# Altium PCB MODULE_GSM_GNSS_v1.1.PcbDoc (part 1 of 2) (continued)
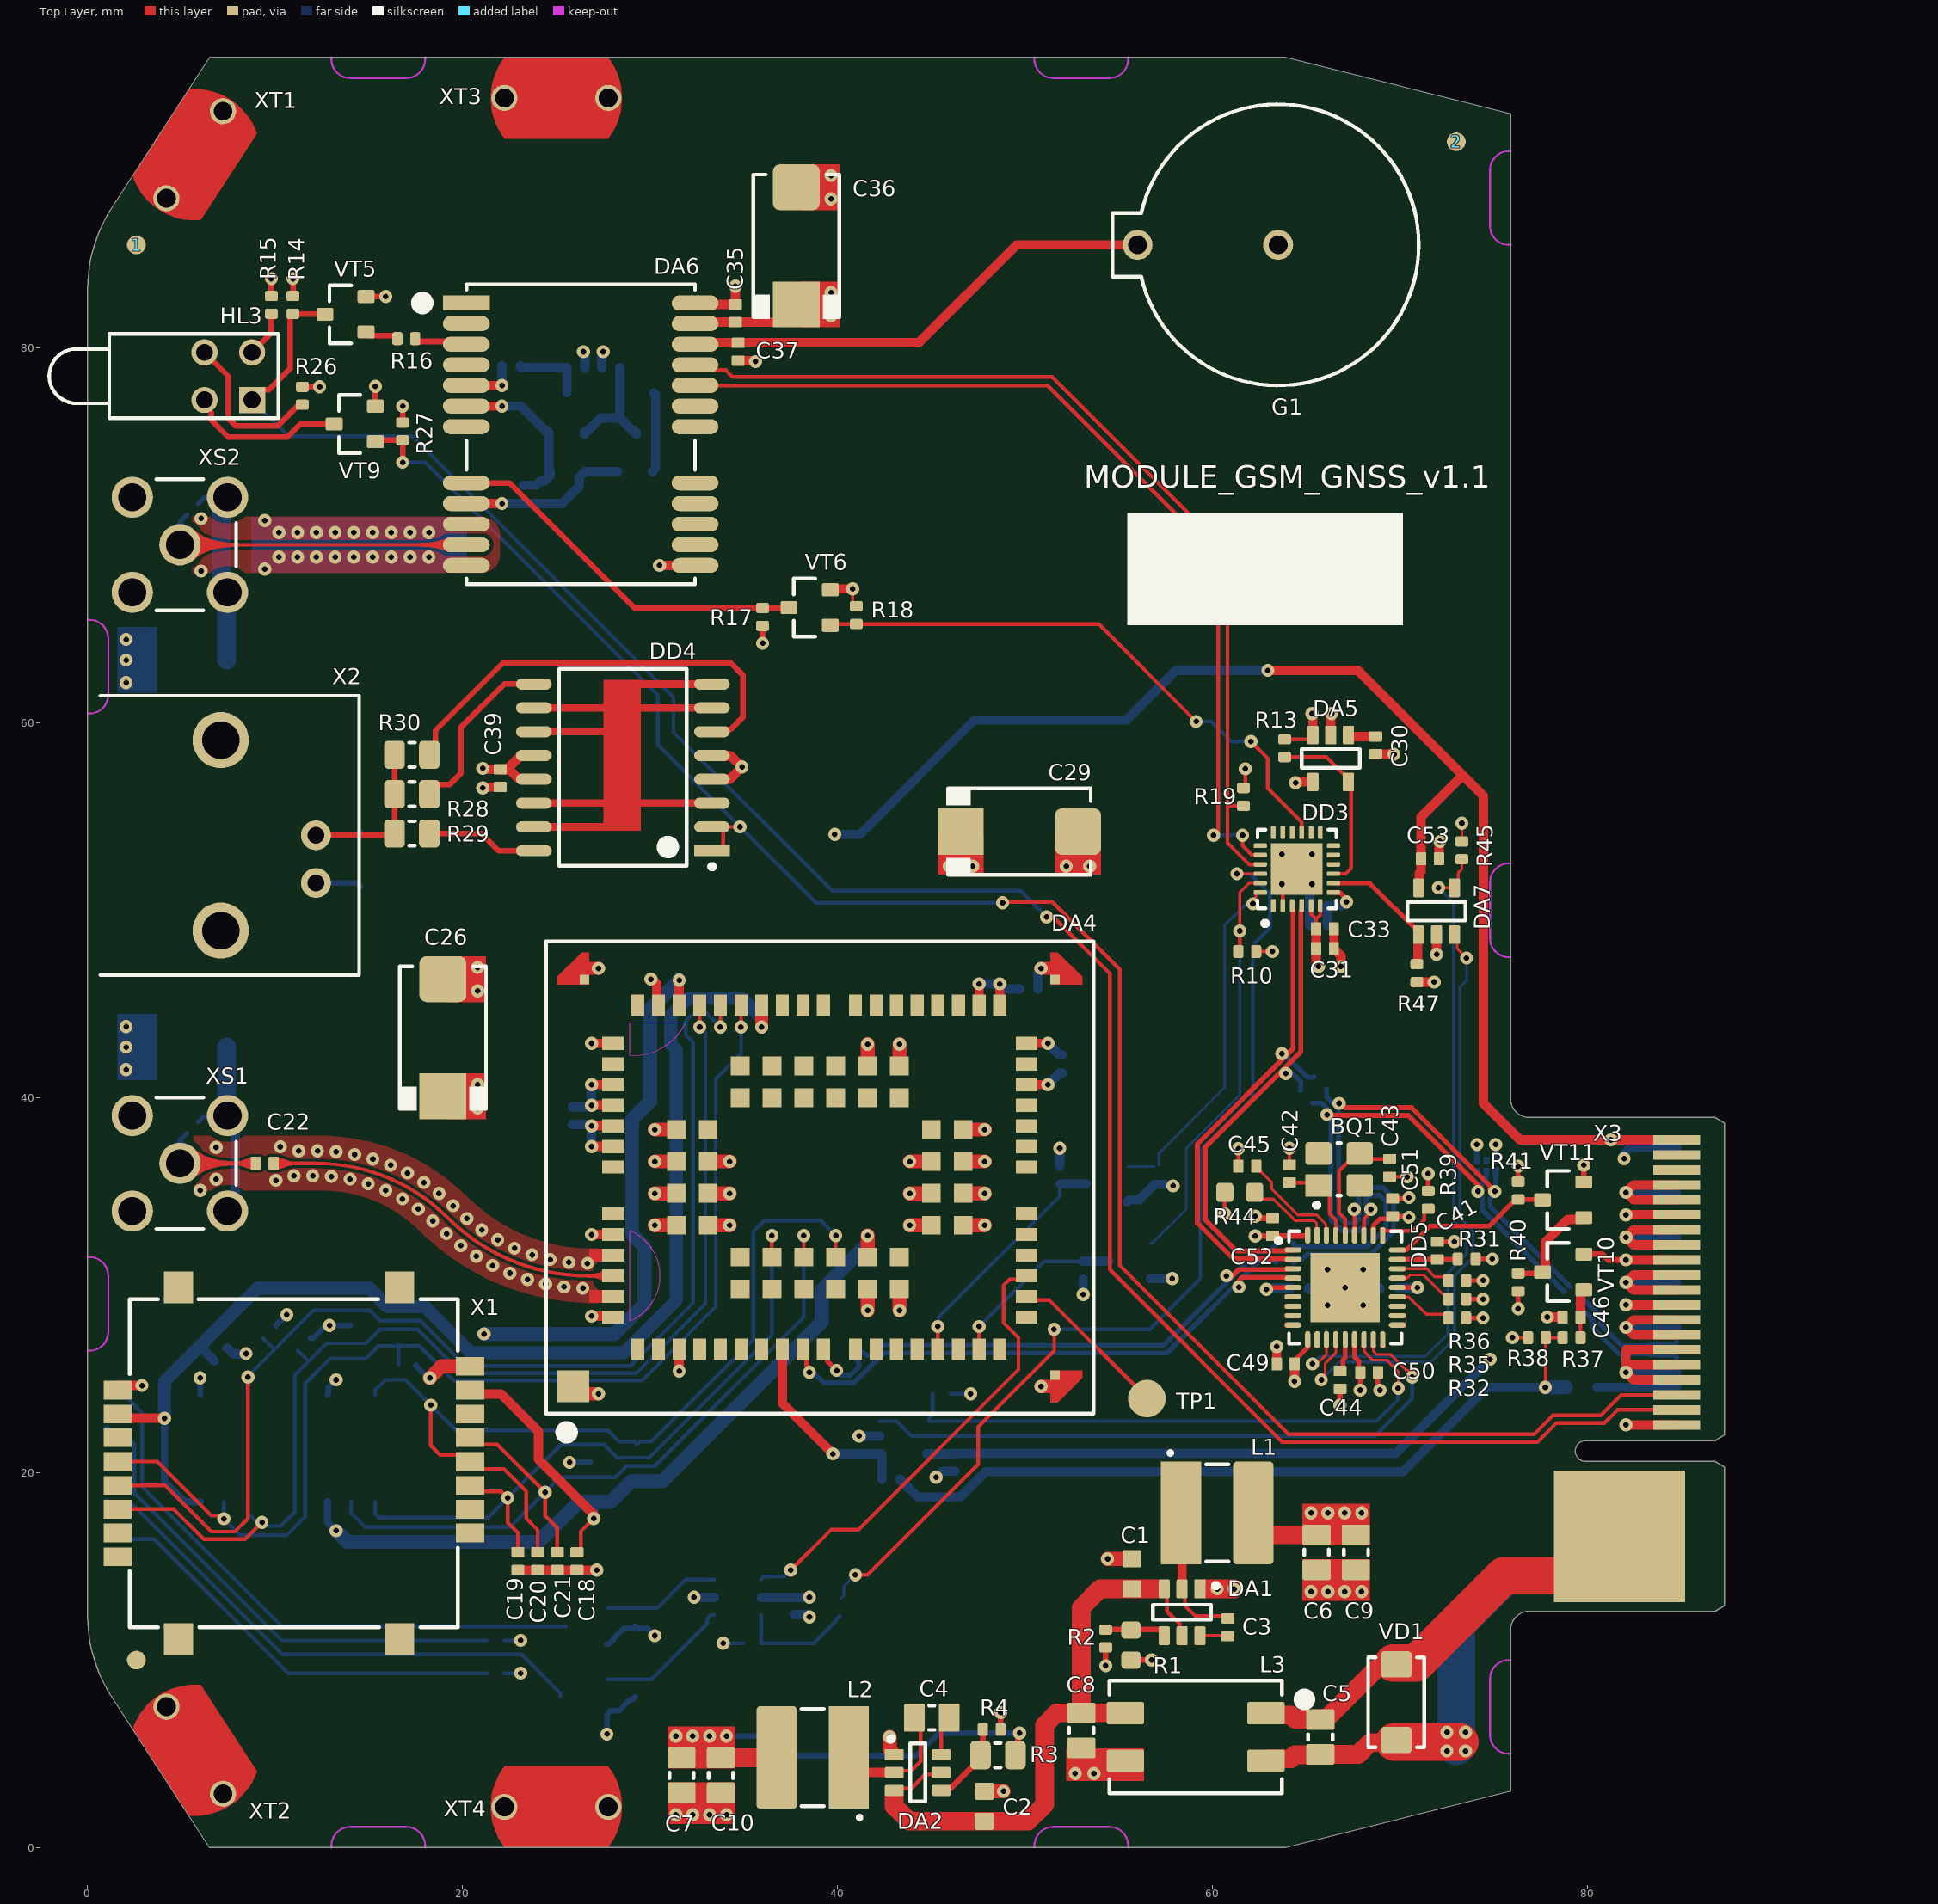
[diagram p0: Top Layer view]
## Components (designator, comment, footprint, x,y, rotation, side; value= is the part's Value field where it differs from the comment) (continued)
VT1 "IRLML6246TR" "SOT23-3 (2,9x2,4x1,2)" 26.6,11.8 r180 bottom
VT2 "IRLML6246TR" "SOT23-3 (2,9x2,4x1,2)" 26.6,8.05 r180 bottom
VT3 "IRLML6246TR" "SOT23-3 (2,9x2,4x1,2)" 54.35,35.4 r180 bottom
VT4 "IRLML6246TR" "SOT23-3 (2,9x2,4x1,2)" 55.6,31.3 r180 bottom
VT5 "BF570" "SOT23-3 (2,9x2,4x1,2)" 13.75,81.8 r180 top
VT6 "IRLML6246TR" "SOT23-3 (2,9x2,4x1,2)" 38.513,66.15 r180 top
VT7 "BC807-25" "SOT23-3 (2,9x2,4x1,2)" 29.25,76.5 r270 bottom
VT8 "BC807-25" "SOT23-3 (2,9x2,4x1,2)" 25.55,76.5 r90 bottom
VT9 "IRLML6246TR" "SOT23-3 (2,9x2,4x1,2)" 14.25,75.95 r180 top
VT10 "IRLML6246TR" "SOT23-3 (2,9x2,4x1,2)" 78.7,30.7 r180 top
VT11 "IRLML6246TR" "SOT23-3 (2,9x2,4x1,2)" 78.7,34.55 r180 top
X1 "115H-BA00" 115H-BA00 11,20.5 r270 top locked
X2 "BNC-16-DGN" BNC-16-DGN 12.18,54 r90 top locked
X3 "EDGE AMPHENOL CE1204000110111" "EDGE AMPHENOL CE1204000110111" 79.9,21.15 r90 top locked
XS1 "AMT-SMA-F-14MM" 73251-2203 4.922,36.5 r90 top locked
XS2 "AMT-SMA-F-14MM" 73251-2203 4.922,69.5 r90 top locked
XT1 "7466313" 7466313 5.711,90.31 r57 top locked
XT2 "7466313" 7466313 5.711,5.19 r123 top locked
XT3 "7466313" 7466313 25,93.335 r0 top locked
XT4 "7466313" 7466313 25,2.165 r0 top locked
? "Comment" Fiducial 2.6,10 r0 top locked
? "Comment" TAB_d0,5_e0,75_q6_offset0,1_keepout 0,29 r90 top locked
? "Comment" TAB_d0,5_e0,75_q6_offset0,1_keepout 0,63 r90 top locked
? "Comment" TAB_d0,5_e0,75_q6_offset0,1_keepout 15.5,0 r180 top locked
? "Comment" TAB_d0,5_e0,75_q6_offset0,1_keepout 53,0 r180 top locked
? "Comment" TAB_d0,5_e0,75_q6_offset0,1_keepout 15.5,95.5 r0 top locked
? "Comment" TAB_d0,5_e0,75_q6_offset0,1_keepout 53,95.5 r0 top locked
? "Comment" TAB_d0,5_e0,75_q6_offset0,1_keepout 75.9,88 r270 top locked
? "Comment" TAB_d0,5_e0,75_q6_offset0,1_keepout 75.9,50 r270 top locked
? "Comment" TAB_d0,5_e0,75_q6_offset0,1_keepout 75.9,7.5 r270 top locked

## Footprints (in the part's own frame and the unit in brackets; to place one, negate y for a bottom-side part, rotate by r counter-clockwise, add the part's x,y. Pads: shape width x height; smd on the part's side, far side on the other; paste and mask are expansions set on the pad)
115H-BA00 [mm]
  rect 1.7x1.55 smd: 0(-9.375,5.65) 0(-9.375,-6.15) 0(9.375,5.65) 0(9.375,-6.15)
  rect 1x1.5 smd mask+0.07: A1(-3.9,9.4) A2(-1.36,9.4) A3(1.18,9.4) A4(3.72,9.4) A5(-5.17,9.4) A6(-2.63,9.4) A7(-0.09,9.4) A8(2.45,9.4) B1(-2.63,-9.4) B2(-0.09,-9.4) B3(2.45,-9.4) B4(4.99,-9.4) B5(-3.9,-9.4) B6(-1.36,-9.4) B7(1.18,-9.4) B8(3.72,-9.4)
  silkscreen extent -8.75,-8.75 8.75,8.75, body extent -9.6,-9.75 9.6,9.75, height 3.14
934EB_2GD [mm]
  round 1.4 hole 0.9: A1(1.27,1.27) A2(-1.27,1.27) C2(-1.27,-1.27)
  rect 1.4x1.4 hole 0.9: C1(1.27,-1.27)
  silkscreen extent -9.55,-2.25 2.67,2.25, body extent -9.55,-2.16 2.67,2.16, height 9.66
2110x0,6-SMD-LED-GN [mm]
  rrect20% 0.8x0.9 smd: A(1.05,0)
  rect 0.8x0.9 smd: C(-1.05,0)
  silkscreen extent -0.68,-0.2 0.68,0.9, body extent -1.08,-0.13 1.08,0.9, height 0.61
"3225 Crystal" [mm]
  rect 1.4x1.2 smd: 1(-1.1,-0.85)
  rrect25% 1.4x1.2 smd: 2(1.1,-0.85) 3(1.1,0.85) 4(-1.1,0.85)
  silkscreen extent -1.32,-2.02 0.1,1.4, body extent -1.6,-1.25 1.6,1.25, height 0.75
73251-2203 [mm]
  round 2.2 hole 1.5: 1(0,0) 2(-2.54,2.54) 2(-2.54,-2.54) 2(2.54,2.54) 2(2.54,-2.54)
  silkscreen extent -3.5,-3 3.5,1.25, body extent -4.8,-3 4.8,16.55, height 11.16
7466313 [mm]
  round 1.4 on Top Paste: 0(-2.77,0) 0(2.77,0)
  round 1.4 hole 1 mask+0: 1(-2.77,0) 1(2.77,0)
  Top Layer region: -2.75,2.165 -3.414,0.772 -3.414,-0.772 -2.75,-2.165 -2.75,-2.165 2.75,-2.165 3.414,-0.772 3.414,0.772 2.75,2.165 2.75,2.165
  body extent -3.5,-2.16 3.5,2.17, height 7.01
BNC-16-DGN [mm]
  round 3 hole 2: 0(-5.08,5.08) 0(5.08,5.08)
  round 1.6 hole 0.9: 1(0,0) 2(-2.54,0)
  silkscreen extent -7.45,-2.3 7.45,11.5, body extent -8.11,-2.27 8.11,33.65, height 14.82
CAP0402(1005x05)N [mm] "Chip Capacitor, 2-Leads, Body 1,00x0,50mm, IPC Medium Density"
  rrect20% 0.55x0.69 smd: 1(-0.475,0) 2(0.475,0)
  body extent -0.5,-0.25 0.5,0.25, height 0.51
CAP0603(1608x08)N [mm] "Chip Capacitor, 2-Leads, Body 1,60x0,80mm, IPC Medium Density"
  rrect20% 0.92x1.02 smd: 1(-0.8,0) 2(0.8,0)
  body extent -0.8,-0.4 0.8,0.4, height 0.81
CAP0805(2012x125)N [mm] "Chip Capacitor, 2-Leads, Body 2,00x1,25mm, IPC Medium Density"
  rrect15% 1.1x1.5 smd: 1(-0.93,0) 2(0.93,0)
  silkscreen extent -0.15,-0.65 0.15,0.65, body extent -1,-0.62 1,0.63, height 1.26
CAP1812(4532x25)N [mm] "Chip Capacitor, 2-Leads, Body 4,50x3,20mm, IPC Medium Density"
  rrect15% 1.42x3.54 smd: 1(-2.06,0) 2(2.06,0)
  silkscreen extent -1.1,-1.65 1.1,1.65, body extent -2.25,-1.6 2.25,1.6, height 2.51
CAP7343X31N [mm] "Molded Capacitor, 2-Leads, Body 7,30x4,30mm, IPC Medium Density (Kemet D, AVX D)"
  rect 2.45x2.5 smd: A(-3.125,0)
  rrect30% 2.45x2.5 smd: C(3.125,0)
  silkscreen extent -3.9,-2.3 3.8,2.3, body extent -3.8,-2.3 3.8,2.3, height 3.1
CH23-1220 [mm]
  round 1.6 hole 1: A(-7.5,0) C(0,0)
  silkscreen extent -8.82,-7.5 7.5,7.5, body extent -8.82,-7.5 7.5,7.5, height 7.31
"DO-214AC (SMA) Non-Polar" [mm]
  rrect25% 1.4x1.64 smd: 1(-2.015,0) 2(2.015,0)
  silkscreen extent -2.4,-1.5 2.4,1.5, body extent -2.8,-1.47 2.8,1.48, height 2.7
"DRY0006A (SON-6)" [mm]
  rect 0.35x0.2 smd mask+0: 1(-0.3,0.5)
  rrect25% 0.3x0.2 smd mask+0: 2(-0.3,0) 3(-0.3,-0.5) 4(0.3,-0.5) 5(0.3,0) 6(0.3,0.5)
  Top Layer region: 0.1,-0.35 0.5,-0.35 0.5,-0.65 0.1,-0.65
  Top Layer region: 0.1,0.15 0.5,0.15 0.5,-0.15 0.1,-0.15
  Top Layer region: 0.1,0.65 0.5,0.65 0.5,0.35 0.1,0.35
  Top Layer region: -0.5,0.15 -0.1,0.15 -0.1,-0.15 -0.5,-0.15
  Top Layer region: -0.5,-0.35 -0.1,-0.35 -0.1,-0.65 -0.5,-0.65
  Top Layer region: -0.55,0.65 -0.05,0.65 -0.05,0.35 -0.55,0.35
  silkscreen extent -0.82,-0.85 0.45,0.85, body extent -0.5,-0.72 0.5,0.73, height 0.59
"EDGE AMPHENOL CE1204000110111" [mm]
  rect 0.5x2.5 smd paste-10 mask+0: 1(1.4,-4.85) 3(2.2,-4.85) 5(3,-4.85) 7(3.8,-4.85) 9(4.6,-4.85) 11(5.4,-4.85) 13(6.2,-4.85) 15(7,-4.85) 17(7.8,-4.85) 19(8.6,-4.85) 21(9.4,-4.85) 23(10.2,-4.85) 25(11,-4.85) 27(11.8,-4.85) 29(12.6,-4.85) 31(13.4,-4.85) 33(14.2,-4.85) 35(15,-4.85) 37(15.8,-4.85) 39(16.6,-4.85)
  rect 0.5x2.5 smd far side paste-10 mask+0: 2(1,-4.85) 4(1.8,-4.85) 6(2.6,-4.85) 8(3.4,-4.85) 10(4.2,-4.85) 12(5,-4.85) 14(5.8,-4.85) 16(6.6,-4.85) 18(7.4,-4.85) 20(8.2,-4.85) 22(9,-4.85) 24(9.8,-4.85) 26(10.6,-4.85) 28(11.4,-4.85) 30(12.2,-4.85) 32(13,-4.85) 34(13.8,-4.85) 36(14.6,-4.85) 38(15.4,-4.85) 40(16.2,-4.85)
  rect 7x7 smd paste-10 mask+0: P1(-4.55,-1.8)
  rect 7x7 smd far side paste-10 mask+0: P2(-4.55,-1.8)
  Top Layer region: -7.56,-16.51
EG95 [mm] "Body 25,00x29,00mm, Pitch 1,10mm"
  rect 1.15x0.7 smd: 1(-9.175,9.7) 2(-9.175,8.6) 3(-9.175,7.5) 4(-9.175,6.4) 5(-9.175,5.3) 6(-9.175,4.2) 7(-9.175,3.1) 8(-9.175,2) 9(-9.175,0.9) 10(-9.175,-0.2) 11(-9.175,-1.9) 12(-9.175,-3) 13(-9.175,-4.1) 14(-9.175,-5.2) 15(-9.175,-6.3) 16(-9.175,-7.4) 17(-9.175,-8.5) 18(-9.175,-9.6) 32(9.175,-9.6) 33(9.175,-8.5) 34(9.175,-7.4) 35(9.175,-6.3) 36(9.175,-5.2) 37(9.175,-4.1) 38(9.175,-3) 39(9.175,-1.9) 40(9.175,-0.2) 41(9.175,0.9) 42(9.175,2) 43(9.175,3.1) 44(9.175,4.2) 45(9.175,5.3) 46(9.175,6.4) 47(9.175,7.5) 48(9.175,8.6) 49(9.175,9.7)
  rect 0.7x1.15 smd: 19(-7.45,-11.025) 20(-6.35,-11.025) 21(-5.25,-11.025) 22(-4.15,-11.025) 23(-3.05,-11.025) 24(-1.95,-11.025) 25(0.55,-11.025) 26(1.65,-11.025) 27(2.75,-11.025) 28(3.85,-11.025) 29(4.95,-11.025) 30(6.05,-11.025) 31(7.15,-11.025) 50(7.15,11.025) 51(6.05,11.025) 52(4.95,11.025) 53(3.85,11.025) 54(2.75,11.025) 55(1.65,11.025) 56(0.55,11.025) 57(-1.95,11.025) 58(-3.05,11.025) 59(-4.15,11.025) 60(-5.25,11.025) 61(-6.35,11.025) 62(-7.45,11.025)
  rect 1x1 smd: 63(-5.95,4.25) 64(-5.95,2.55) 65(-5.95,0.85) 66(-5.95,-0.85) 67(-5.95,-2.55) 68(-5.95,-4.25) 69(-2.55,-7.65) 70(-0.85,-7.65) 71(0.85,-7.65) 72(2.55,-7.65) 73(5.95,-4.25) 74(5.95,-2.55) 75(5.95,-0.85) 76(5.95,0.85) 77(5.95,2.55) 78(5.95,4.25) 79(2.55,7.65) 80(0.85,7.65) 81(-0.85,7.65) 82(-2.55,7.65) 83(-4.25,4.25) 84(-4.25,2.55) 85(-4.25,0.85) 86(-4.25,-0.85) 87(-4.25,-2.55) 88(-4.25,-4.25) 89(-2.55,-5.95) 90(-0.85,-5.95) 91(0.85,-5.95) 92(2.55,-5.95) 93(4.25,-4.25) 94(4.25,-2.55) 95(4.25,-0.85) 96(4.25,0.85) 97(4.25,2.55) 98(4.25,4.25) 99(2.55,5.95) 100(0.85,5.95) 101(-0.85,5.95) 102(-2.55,5.95)
  rect 1.7x1.7 smd: 103(-11.15,13.15)
  rect 0.5x0.5 smd: 104(-10.55,-12.55) 105(10.55,-12.55) 106(10.55,12.55)
  Top Layer region: 10.3,12.3 10.3,14 10.7,14 12,12.7 12,12.3
  Top Layer region: 10.3,-12.3 10.3,-14 10.7,-14 12,-12.7 12,-12.3
  Top Layer region: -10.3,-12.3 -10.3,-14 -10.7,-14 -12,-12.7 -12,-12.3
  Top Layer keep-out region: 8.25,10.12 8.25,7.19 7.275,7.895 6.658,8.927 6.5,10.12 6.5,10.12
  Top Layer keep-out region: -7.675,10.12 -2.825,10.12 -3.405,9.288 -4.254,8.734 -5.25,8.54 -5.25,8.54 -6.246,8.734 -7.095,9.288 -7.675,10.12
  silkscreen extent -13.9,-14.6 12.6,14.6, body extent -12.5,-14.5 12.5,14.5, height 2.53
Fiducial [mm]
  round 1 smd paste-5 mask+0.5: FM(0,0)
  Top Layer pour cut-out: 0,1.25 0.478,1.155 0.884,0.884 1.155,0.478 1.25,0 1.25,0 1.155,-0.478 0.884,-0.884 0.478,-1.155 0,-1.25 0,-1.25 -0.478,-1.155 -0.884,-0.884 -1.155,-0.478 -1.25,0 -1.25,0 -1.155,0.478 -0.884,0.884 -0.478,1.155 0,1.25
IND0603N [mm] "Chip Inductor, 2-Leads, Body 1,60x0,80mm, IPC Medium Density"
  rrect20% 0.92x1.02 smd: 1(-0.8,0) 2(0.8,0)
  body extent -0.88,-0.48 0.87,0.47, height 1.01
L26 [mm] "Body 16,00x12,20mm, Pitch 1,10mm"
  rect 2.5x0.8 smd mask+0.07: 1(-6.1,7)
  oval 2.5x0.8 smd mask+0.07: 2(-6.1,5.9) 3(-6.1,4.8) 4(-6.1,3.7) 5(-6.1,2.6) 6(-6.1,1.5) 7(-6.1,0.4) 8(-6.1,-2.6) 9(-6.1,-3.7) 10(-6.1,-4.8) 11(-6.1,-5.9) 12(-6.1,-7) 13(6.1,-7) 14(6.1,-5.9) 15(6.1,-4.8) 16(6.1,-3.7) 17(6.1,-2.6) 18(6.1,0.4) 19(6.1,1.5) 20(6.1,2.6) 21(6.1,3.7) 22(6.1,4.8) 23(6.1,5.9) 24(6.1,7)
  silkscreen extent -8.75,-8 6.1,8, body extent -6.12,-8 6.12,8, height 2.51
"QFN-24 (4x4x0,8)" [mm] "QFN, 24-Leads, Body 4,00x4,00mm, Pitch 0,50mm, Thermal Pad 2,7x2,7mm"
  rect 0.7x0.25 smd mask+0.07: 1(-1.95,1.25)
  rrect50% 0.7x0.25 smd mask+0.07: 2(-1.95,0.75) 3(-1.95,0.25) 4(-1.95,-0.25) 5(-1.95,-0.75) 6(-1.95,-1.25) 13(1.95,-1.25) 14(1.95,-0.75) 15(1.95,-0.25) 16(1.95,0.25) 17(1.95,0.75) 18(1.95,1.25)
  rrect50% 0.25x0.7 smd mask+0.07: 7(-1.25,-1.95) 8(-0.75,-1.95) 9(-0.25,-1.95) 10(0.25,-1.95) 11(0.75,-1.95) 12(1.25,-1.95) 19(1.25,1.95) 20(0.75,1.95) 21(0.25,1.95) 22(-0.25,1.95) 23(-0.75,1.95) 24(-1.25,1.95)
  rect 2.75x2.75 smd paste-10 mask+0.07: EP(0,0)
  silkscreen extent -3.02,-2.1 2.1,2.1, body extent -2,-2 2,2, height 0.81
QFN-36-(6x6x1)(3,7x3,7_EP) [mm] "QFN, 36-Leads, Body 6,00x6,00mm, Pitch 0,50mm, Thermal Pad 3,7x3,7mm"
  oval 0.9x0.28 smd mask+0.07: 1(-2.775,2) 2(-2.775,1.5) 3(-2.775,1) 4(-2.775,0.5) 5(-2.775,0) 6(-2.775,-0.5) 7(-2.775,-1) 8(-2.775,-1.5) 9(-2.775,-2) 19(2.775,-2) 20(2.775,-1.5) 21(2.775,-1) 22(2.775,-0.5) 23(2.775,0) 24(2.775,0.5) 25(2.775,1) 26(2.775,1.5) 27(2.775,2)
  oval 0.28x0.9 smd mask+0.07: 10(-2,-2.775) 11(-1.5,-2.775) 12(-1,-2.775) 13(-0.5,-2.775) 14(0,-2.775) 15(0.5,-2.775) 16(1,-2.775) 17(1.5,-2.775) 18(2,-2.775) 28(2,2.775) 29(1.5,2.775) 30(1,2.775) 31(0.5,2.775) 32(0,2.775) 33(-0.5,2.775) 34(-1,2.775) 35(-1.5,2.775) 36(-2,2.775)
  rect 3.7x3.7 smd paste-10: EP(0,0)
  Top Layer region: -3.225,1.86 -3.075,1.86 -3.075,2.14 -3.225,2.14
  Top Layer region: -3.225,1.36 -3.075,1.36 -3.075,1.64 -3.225,1.64
  Top Layer region: -3.225,0.86 -3.075,0.86 -3.075,1.14 -3.225,1.14
  Top Layer region: -3.225,0.36 -3.075,0.36 -3.075,0.64 -3.225,0.64
  Top Layer region: -3.225,-0.14 -3.075,-0.14 -3.075,0.14 -3.225,0.14
  Top Layer region: -3.225,-0.64 -3.075,-0.64 -3.075,-0.36 -3.225,-0.36
  Top Layer region: -3.225,-1.14 -3.075,-1.14 -3.075,-0.86 -3.225,-0.86
  Top Layer region: -3.225,-1.64 -3.075,-1.64 -3.075,-1.36 -3.225,-1.36
  Top Layer region: -3.225,-2.14 -3.075,-2.14 -3.075,-1.86 -3.225,-1.86
  Top Layer region: 3.225,-1.86 3.075,-1.86 3.075,-2.14 3.225,-2.14
  Top Layer region: 3.225,-1.36 3.075,-1.36 3.075,-1.64 3.225,-1.64
  Top Layer region: 3.225,-0.86 3.075,-0.86 3.075,-1.14 3.225,-1.14
  Top Layer region: 3.225,-0.36 3.075,-0.36 3.075,-0.64 3.225,-0.64
  Top Layer region: 3.225,0.14 3.075,0.14 3.075,-0.14 3.225,-0.14
  Top Layer region: 3.225,0.64 3.075,0.64 3.075,0.36 3.225,0.36
  Top Layer region: 3.225,1.14 3.075,1.14 3.075,0.86 3.225,0.86
  Top Layer region: 3.225,1.64 3.075,1.64 3.075,1.36 3.225,1.36
  Top Layer region: 3.225,2.14 3.075,2.14 3.075,1.86 3.225,1.86
  Top Layer region: 1.86,3.225 1.86,3.075 2.14,3.075 2.14,3.225
  Top Layer region: 1.36,3.225 1.36,3.075 1.64,3.075 1.64,3.225
  Top Layer region: 0.86,3.225 0.86,3.075 1.14,3.075 1.14,3.225
  Top Layer region: 0.36,3.225 0.36,3.075 0.64,3.075 0.64,3.225
  Top Layer region: -0.14,3.225 -0.14,3.075 0.14,3.075 0.14,3.225
  Top Layer region: -0.64,3.225 -0.64,3.075 -0.36,3.075 -0.36,3.225
  Top Layer region: -1.14,3.225 -1.14,3.075 -0.86,3.075 -0.86,3.225
  Top Layer region: -1.64,3.225 -1.64,3.075 -1.36,3.075 -1.36,3.225
  Top Layer region: -2.14,3.225 -2.14,3.075 -1.86,3.075 -1.86,3.225
  Top Layer region: 2.14,-3.225 2.14,-3.075 1.86,-3.075 1.86,-3.225
  Top Layer region: 1.64,-3.225 1.64,-3.075 1.36,-3.075 1.36,-3.225
  Top Layer region: 1.14,-3.225 1.14,-3.075 0.86,-3.075 0.86,-3.225
  Top Layer region: 0.64,-3.225 0.64,-3.075 0.36,-3.075 0.36,-3.225
  Top Layer region: 0.14,-3.225 0.14,-3.075 -0.14,-3.075 -0.14,-3.225
  Top Layer region: -0.36,-3.225 -0.36,-3.075 -0.64,-3.075 -0.64,-3.225
  Top Layer region: -0.86,-3.225 -0.86,-3.075 -1.14,-3.075 -1.14,-3.225
  Top Layer region: -1.36,-3.225 -1.36,-3.075 -1.64,-3.075 -1.64,-3.225
  Top Layer region: -1.86,-3.225 -1.86,-3.075 -2.14,-3.075 -2.14,-3.225
  silkscreen extent -3.67,-3 3,3, body extent -3.01,-3.01 3.01,3.01, height 1.01
RES0402N [mm] "Chip Resistor, 2-Leads, Body 1,00x0,50mm, IPC Medium Density"
  rrect40% 0.55x0.69 smd: 1(-0.475,0) 2(0.475,0)
  body extent -0.57,-0.27 0.58,0.28, height 0.4
RES0603N [mm] "Chip Resistor, 2-Leads, Body 1,60x0,80mm, IPC Medium Density"
  rrect40% 0.92x1.02 smd: 1(-0.8,0) 2(0.8,0)
  body extent -0.85,-0.4 0.85,0.4, height 0.56
RES0805N [mm] "Chip Resistor, 2-Leads, Body 2,00x1,25mm, IPC Medium Density"
  rrect40% 1.1x1.5 smd: 1(-0.93,0) 2(0.93,0)
  silkscreen extent -0.15,-0.65 0.15,0.65, body extent -1.15,-0.67 1.15,0.68, height 0.76
SMD-PAD-D2 [mm]
  round 2 smd: 1(0,0)
SO16-300 [mm] "SOIC, 16-Leads, Body 10,30x7,50mm, Pitch 1,27mm, IPC Medium Density"
  rect 1.9x0.6 smd: 1(-4.75,4.445)
  oval 1.9x0.6 smd: 2(-4.75,3.175) 3(-4.75,1.905) 4(-4.75,0.635) 5(-4.75,-0.635) 6(-4.75,-1.905) 7(-4.75,-3.175) 8(-4.75,-4.445) 9(4.75,-4.445) 10(4.75,-3.175) 11(4.75,-1.905) 12(4.75,-0.635) 13(4.75,0.635) 14(4.75,1.905) 15(4.75,3.175) 16(4.75,4.445)
  silkscreen extent -4.88,-5.25 3.4,5.42, body extent -5.17,-5.15 5.17,5.15, height 2.65
SOD-123FL [mm]
  rrect20% 1.25x1.2 smd: A(1.475,0)
  rect 1.25x1.2 smd: C(-1.475,0)
  silkscreen extent -1.35,-0.85 1.35,0.85, body extent -1.79,-0.82 1.79,0.83, height 1
SOD-923 [mm]
  rrect30% 0.36x0.25 smd mask+0.07: A(0.42,0)
  rect 0.36x0.25 smd mask+0.07: C(-0.42,0)
  silkscreen extent -0.45,-0.35 -0.1,0.35, body extent -0.52,-0.32 0.53,0.32, height 0.44
"SOT23-3 (2,9x2,4x1,2)" [mm] "SOT23, TO-236, 3-Leads, Body 2,90x2,40mm, Pitch 0,95mm, IPC Medium Density"
  rrect25% 0.9x0.7 smd: 1(-1.1,0.95) 2(-1.1,-0.95) 3(1.1,0)
  silkscreen extent -0.3,-1.55 0.85,1.55, body extent -1.25,-1.5 1.25,1.5, height 1.21
"SOT23-5 (2,9x2,8x1,45)" [mm] "SOT23, 5-Leads, Body 2,90x2,80mm, Pitch 0,95mm, IPC Medium Density"
  rrect25% 1x0.6 smd: 1(-1.25,0.95) 2(-1.25,0) 3(-1.25,-0.95) 4(1.25,-0.95) 5(1.25,0.95)
  silkscreen extent -0.5,-1.55 0.5,1.55, body extent -1.4,-1.45 1.4,1.45, height 1.45
"SOT23-6 (2,9x2,8x1,45)" [mm] "SOT23, 6-Leads, Body 2,90x2,80mm, Pitch 0,95mm, IPC Medium Density"
  rect 1x0.6 smd: 1(-1.25,0.95)
  rrect25% 1x0.6 smd: 2(-1.25,0) 3(-1.25,-0.95) 4(1.25,-0.95) 5(1.25,0) 6(1.25,0.95)
  silkscreen extent -1.55,-1.55 0.4,1.93, body extent -1.4,-1.45 1.4,1.45, height 1.45
TAB_d0,5_e0,75_q6_offset0,1_keepout [mm]
  Keep-Out Layer lines w0.1: -2.5,0 -2.5,-0.102 ; 2.5,0 2.5,-0.102 ; -2.5,-0.1 ccw(c-1.5,-0.1) -1.5,-1.1 1.5,-1.1 ccw(c1.5,-0.1) 2.5,-0.1
VQFN-8 [mm]
  rect 0.8x0.4 smd mask+0.07: 1(-2.85,1.905)
  rrect75% 0.8x0.4 smd mask+0.07: 2(-2.85,0.635) 3(-2.85,-0.635) 4(-2.85,-1.905) 5(2.85,-1.905) 6(2.85,-0.635) 7(2.85,0.635) 8(2.85,1.905)
  rect 3.4x4.2 smd paste-10 mask+0.07: EP(0,0)
  silkscreen extent -3.67,-2.5 3,2.67, body extent -3,-2.5 3,2.5, height 0.91
WE-PD2-5848 [mm]
  rect 2.15x5.5 smd: 1(-1.925,0)
  rrect20% 2.15x5.5 smd: 2(1.925,0)
  silkscreen extent -2.6,-2.6 0.6,3.3, body extent -2.9,-2.6 2.9,2.6, height 4.85
WE-SL2 [mm]
  rrect20% 2x1.2 smd: 1(-3.75,1.27) 2(-3.75,-1.27) 3(3.75,-1.27) 4(3.75,1.27)
  silkscreen extent -6,-3 4.6,3, body extent -4.6,-3 4.6,3, height 5.3

## Part data
BQ1: library part SMD3225, "Кварцевый резонатор DSX321G 24 MHz", TYPE="SMD3225 24.000 MHz"
C1 C2: library part C0603, "Чип-конденсатор 10 мкФ 16 В 0603", TYPE="Чип-конденсатор 0603"
C3: library part C0402, "Чип-конденсатор 0,1 мкФ ±20% 16 В X7R 0402", TYPE="Чип-конденсатор 0402"
C4 C5 C8: library part C0805, "Чип-конденсатор 0,1 мкФ  100 В 0805", TYPE="Чип-конденсатор 0805"
C6 C7 C9 C10: library part C0805, "Чип-конденсатор 22 мкФ 25 В 0805", TYPE="Чип-конденсатор 0805"
C11 C12 C13 C14 C18 C30 C33 C34 C35 C39 C41 C44 C45 C47 C48 C49 C50 C51 C52: library part C0402, "Чип-конденсатор 0,1 мкФ 16 В 0402", TYPE="Чип-конденсатор 0402"
C15 C16 C17 C19 C20 C21 C22 C24 C28: library part C0402, "Чип-конденсатор 33 пФ 50 В 0402", TYPE="Чип-конденсатор 0402"
C23 C25 C31 C32 C37 C38 C46 C53 C54: library part C0402, "Чип-конденсатор 2,2 мкФ 16 В 0402", TYPE="Чип-конденсатор 0402"
C26 C29 C36: library part CASED, "Чип-конденсатор танталовый 220 мкФ 10 В CaseD"
C27 C40: library part C1812, "Чип-конденсатор 2200 пФ 4 кВ 1812", TYPE="Чип-конденсатор 0402"
C42 C43: library part C0402, "Чип-конденсатор 22 пФ 50 В 0402", TYPE="Чип-конденсатор 0402"
DA1: library part TPS562209, "DC/DC-контроллер TPS563209DDC SOT-23-6"
DA2: library part TPS562209, "Микросхема TPS563209DDC", Manufactory="Texas Instruments", Function="4.5V to 17 V Input 3-A Synchronous Step-Down Voltage Regulator"
DA3: "Аналоговый мультиплексор 1:2 SN74LVC1G3157DBVR SOT-23-6"
DA4: library part EG95-E_Quectel, "LTE-модуль EG95-E Quectel"
DA5: library part LP3470, "Супервизор питания LP3470IM5-3.08/NOPB SOT-23-5"
DA6: library part L26_Quectel, "GPS/ГЛОНАСС-модуль L26 Quectel"
DA7 DA8: library part TPS2051B, "Ключ с токовым ограничением TPS2051BDBV SOT23-5 TI"
DD1 DD2: library part SIM_chip, "SIM-карта VQFN8"
DD3: "Преобразователь USB-2xUART CP2105 QFN-24"
DD4: "4 логических элемента 2И-НЕ 74F3037 SO-16W"
DD5: library part USB2514Bi-AEZG, "USB 2.0 Hi-Speed Hub Controller USB2514Bi-AEZG"
G1: "Разъем CH23-1220 батарейный отсек тип CR1220", TYPE=CH23-1220
HL1 HL2: library part 12-21, "Светодиод KPA-2106CGCK зелёный Kingbright"
HL3: library part 7022, ComponentLink1Description="Сайт производителя", ComponentLink1URL=http://www.kingbright.com/, ComponentLink2Description=DSAE9268, ComponentLink2URL="\\JSERV\SQLEXPRESS\CmpDB\DocLibrary\Datasheets\По производителям\Kingbright\WP934EB-2GD.pdf", ID=7022, Группа=Светодиоды, Документы="DS No DSAE9268", Производитель="Kingbright Electronic Co, Ltd", Серия=934EB, Тип=Светодиоды, УсловноеОбозначение=WP934EB/2GD
L1 L2: library part WURTH_744774033, "Дроссель 744774033 3,3 мкГн 4 А Wurth Elektronik", TYPE="Дроссель SDR0403"
L3: library part "WE-SL2 744224", "Линейный фильтр WE-SL2 744226 Wurth Elektronik"
L4: library part BLM18PG121SN1D, "Индуктивность SB01-160808121P", Manufactory="CHIKARA Electronics", Function="120 Ohms @ 100MHz 1 Power Line Ferrite Bead 0603 (1608 Metric) 2,2 A"
R1: library part R0603, "Чип-резистор 33,2 кОм 1% 0603", TYPE="Чип-резистор 0603"
R2 R4: library part R0402, "Чип-резистор 10 кОм 1% 0402", TYPE="Чип-резистор 0402"
R3: library part R0805, "Чип-резистор 40,2 кОм 1% 0805", TYPE="Чип-резистор 0805"
R5 R7 R14: library part R0402, "Чип-резистор 560 Ом 5% 0402", TYPE="Чип-резистор 0402"
R6 R8 R9 R10 R12 R18 R22 R23 R27 R38 R40 R41 R45 R46: library part R0402, "Чип-резистор 10 кОм 5% 0402", TYPE="Чип-резистор 0402"
R11: library part R0402, "Чип-резистор 8,2 кОм 5% 0402", TYPE="Чип-резистор 0402"
R13 R16 R17 R19: library part R0402, "Чип-резистор 4,7 кОм 5% 0402", TYPE="Чип-резистор 0402"
R15 R26: library part R0402, "Чип-резистор 130 Ом 5% 0402", TYPE="Чип-резистор 0402"
R20: library part R0805, "Чип-резистор 22 Ом 5% 0805", TYPE="Чип-резистор 0805"
R21: library part R0805, "Чип-резистор 330 Ом 5% 0805", TYPE="Чип-резистор 0805"
R24: library part R0402, "Чип-резистор 1 кОм 5% 0402", TYPE="Чип-резистор 0402"
R25: library part R0402, "Чип-резистор 0 Ом 0805", TYPE="Чип-резистор 0805"
R28 R29 R30: library part R0805, "Чип-резистор 10 Ом 5% 0805", TYPE="Чип-резистор 0805"
R31 R32 R35 R36 R37 R39: library part R0402, "Чип-резистор 100 кОм 5% 0402", TYPE="Чип-резистор 0402"
R33 R34 R42 R43 R47 R48 R49 R50: library part R0402, "Чип-резистор 4,7 Ом 5% 0402", TYPE="Чип-резистор 0402"
R44: library part R0603, "Чип-резистор 12 кОм 1% 0603", TYPE="Чип-резистор 0603"
TP1: library part TEST_POINT_SMD, "Контрольная точка SMD"
VD1: "Диод TVS симметричный SMAJ15CA SMA (DO-214AC)"
VD2 VD3: "ESDA6V1SC5, 4 диода SOT23-5, ST Microelectronics"
VD4 VDS1: "Диод TVS ESD9L5.0ST5G SOD-923"
VD5: "Диод TVS SMF5.0AT1G SOD-123"
VD6: "Диодная сборка защитная интерфейса USB TPD4S012DRYR SON-6 TI"
VT1 VT2 VT3 VT4 VT6 VT9 VT10 VT11: library part 2N7002K, "Транзистор MOSFET N-Channel IRLML6246TR SOT-23"
VT5: "Транзистор NPN BF570 SOT-23", TYPE=BF570
VT7 VT8: "Транзистор PNP BC807-25 SOT-23", TYPE=BC807-25
X1: "SIM-держатель на 2 SIM-карты 115H-BA00 Attend Technology"
X2: "Разъем BNC \"гнездо\" прямой угол на плату BNC-16-DGN"
X3: library part MOLEX_76861_1120_SLOT, "Слот для разъёма EDGE AMPHENOL CE1204000110111"
XS1 XS2: library part SMA_JACK, "ВЧ-разъём на плату угловой SMA-JACK AMT-SMA-F-14MM", TYPE="SMA-JACK AMT-SMA-F-14MM"
XT1 XT2 XT3 XT4: library part 7315, ComponentLink1Description="Сайт производителя", ComponentLink1URL=https://www.we-online.com/web/en/wuerth_elektronik/start.php, ComponentLink2Description="ГОСТ 16840-78", ComponentLink2URL="\\JSERV\SQLEXPRESS\CmpDB\DocLibrary\ГОСТ\ГОСТ 16840-78 Лепестки штырьковые. Конструкция и размеры.pdf", ID=7315, Группа=Соединители, Производитель="Wurth Elektronik", Серия=WP-SMRA, Тип="Соединители прочие", УсловноеОбозначение=7466313

## Via types
v1: diameter 0.7, hole 0.3, Top Layer to Bottom Layer, tented both sides, 300 vias
v2: diameter 0.7, hole 0.3, Top Layer to Bottom Layer, tented bottom, 9 vias

## Nets (pads, with @x,y where several pads share a name; then routed paths per layer and width w, separated by ;. In a path a pad name is that pad's centre, name@x,y a point inside that pad or via, vN(x,y) a via of type N, cw(c..) or ccw(c..) an arc to the next point about the centre after c; other vN are vias at no path point)
+1V8_GSM: C13.1 C23.2 DA3.5 DA4.29 | length 4.8
  Top Layer w0.5: DA4.29@50.075,40.7 v1(51.225,40.7)
  Bottom Layer w0.5: DA3.5@35.925,13.35 v1(38.5,13.35) ; v1(51.225,40.7) 51.825,41.3 51.975,41.3 C23.2@52,41.325
+3V3: C6.1 C9.1 C31.2 C32.2 C33.1 C34.1 C35.1 C36.A C47.1 C48.1 C49.1 C50.1 C51.1 C52.1 DA5.3 DA5.4 DA6.23 DD3.5 DD3.6 DD3.7 DD5.5 DD5.10 DD5.15 DD5.23 DD5.29 DD5.36 L1.2 R1.2 R13.2 R14.2 R15.2 R17.2 R19.1 R26.2 R31.1 R39.1 R40.1 R41.2 | length 45.6
  Top Layer w0.2: R19.1@61.65,56.525 61.75,56.625 v1(61.75,57.55) ; R13.2@63.85,59.125 65.15,59.125 DA5.3@65.35,59.325 ; DD3.5@65.25,50.25 65.263,50.237 65.263,49.8 65.525,49.538 ; C33.1@65.525,49.01 65.525,49.538 ; DD3.6@65.75,50.25 65.75,49.763 65.525,49.538
  Top Layer w0.25: v1(62.875,29.775) 62.975,29.875 DD5.5@64.3,29.875 ; C49.1@64.375,25.8 64.375,25.975 65.075,26.675 DD5.10@65.075,27.1 ; DD3.7@66.45,50.95 66.8,50.95 v1@67.15,50.6 ; DD5.15@67.575,27.1 67.575,26.175 67.8,25.95 67.8,25.425 C50.1@67.875,25.35 v1(67.875,24.4) ; DD5.29@68.575,32.65 68.581,32.656 68.581,33.181 68.95,33.55 C51.1@69.75,33.55 ; C51.1@69.6,33.675 v1@70.475,33.675 ; DD5.23@69.85,29.875 v1(70.925,29.875) ; R39.1@71.5,35.025 v1(71.5,35.95) ; R31.1@74.025,31.4 v1(74.925,31.4) ; v1(76.3,28.75) R40.1@76.3,29.675 ; R41.2@76.3,35.525 v1(76.3,36.35)
  Top Layer w0.3: R15.2@9.8,82.775 v1(9.8,83.7) ; R14.2@10.95,82.775 v1(10.95,83.7) ; R26.2@11.45,77.925 v1(12.375,77.925) ; v1(36,64.25) R17.2@36,65.175 ; R1.2@55.65,10 v1(56.75,10) ; v1(62.275,32.625) C52.1@63.2,32.625 DD5.36@65.05,32.625
  Top Layer w0.5: DA6.23@32.4,81.3 33.331,81.3 33.406,81.375 C35.1@34.55,81.375 36.725,81.375 37.775,82.425 C36.A@37.8,82.425 ; v1(64.375,24.875) C49.1@64.375,25.8 ; v1@64.425,56.85 DA5.4@65.325,56.85 ; DA5.3@65.35,59.35 v1@65.35,60.5 ; C33.1@65.525,49.01 C31.2@65.525,47.96 65.525,47.125 v1(65.65,47)
  Top Layer w1: L1.2@62.175,17.38 62.875,16.68 C6.1@65.55,16.68
  Bottom Layer w0.5: v1(62.875,29.775) 62.95,29.85 C47.1@64.175,29.85 ; C32.2@66.125,49.2 C34.1@66.125,50.25 66.896,50.25 67.096,50.45 v1(67.15,50.45) ; C48.1@69.875,29.85 v1@70.9,29.85
  other v1: 65.25,17.85 66.15,17.85 67.05,17.85 67.95,17.85 70.475,33.625 64.425,56.8 65.3,60.5 39.65,81.7 39.65,82.95
+3V8: C7.1 C10.1 C24.2 C26.A C28.2 C29.A DA4.32 DA4.33 DA4.52 DA4.53 L2.2 R3.2 R5.2 R7.2 | length 31.4
  Top Layer w0.3: R3.2@49.35,4.925 49.625,5.2 49.625,6.025 v1(49.7,6.1)
  Top Layer w0.5: v1(26.875,39.6) DA4.53@28.025,39.6 ; v1(26.875,40.7) DA4.52@28.025,40.7 ; DA4.33@47.55,44.925 v1(47.55,46.075) ; DA4.32@48.65,44.925 v1(48.65,46.075)
  Top Layer w1: C10.1@33.775,4.78 L2.2@36.73,4.78
  Bottom Layer w0.2: R7.2@22.225,9.3 v1(23.1,9.3) ; R5.2@22.225,11.05 v1(23.1,11.05)
  Bottom Layer w0.3: v1(34.075,5.95) 35.75,5.95 36.8,4.9 44.2,4.9 45.4,6.1 v1(49.7,6.1)
  Bottom Layer w0.5: C24.2@25.85,39.525 26.746,39.525 v1@26.837,39.616 ; v1(26.875,39.6) v1@26.875,40.538 ; v1(47.55,46.075) v1(48.65,46.075) 48.704,46.075 48.979,45.8 C28.2@49.725,45.8
  other v1: 31.375,5.95 32.275,5.95 33.175,5.95 20.8,39.45 20.8,40.7 45.95,52.35 47.2,52.35
+5V_EXT: C39.2 C53.2 C54.2 DA7.5 DA8.5 DD4.12 DD4.13 X3.39 | length 111.4
  Top Layer w0.5: v1@21.075,57.525 C39.2@22,57.525 22.025,57.5 22.35,57.5 23.064,58.214 23.131,58.214 DD4.12@23.177,58.26 ; 22.5,57.5 22.991,57.009 23.781,57.009 DD4.13@23.8,56.99 ; v1(62.95,62.8) 67.75,62.8 73.35,57.2 ; DA7.5@71,51.2 71.033,51.233 71.033,51.983 71.125,52.075 C53.2@71.125,52.75 71.125,54.975 73.35,57.2 ; X3.39@84.75,37.75 76.4,37.75 74.45,39.7 74.45,56.1 73.35,57.2
  Bottom Layer w0.5: v1(39.85,54.05) 41.2,54.05 47.3,60.15 55.4,60.15 58.05,62.8 v1(62.95,62.8) ; DA8.5@44.75,21 C54.2@46.105,21 ; C54.2@46.25,21.025 69.775,21.025 v1(74.8,26.05)
  other v1: 81.25,37.75 21.075,57.575
ANT_GNSS: DA6.11 VD4.C XS2.1 | length 17
  Top Layer w0.199: XS2.1@4.922,69.5 DA6.11@20.2,69.5
  Bottom Layer w0.25: XS2.1@4.922,69.5 4.954,69.532 4.954,70.754 VD4.C@5.303,71.103
ANT_GNSS_GND: C40.2 R25.1 VD4.A XS2.2 | length 10.4
  Bottom Layer w0.25: VD4.A@5.897,71.697 6.208,72.008 7.431,72.008 XS2.2@7.462,72.04
  Bottom Layer w1: XS2.2@7.12,67.002 R25.1@7.12,69.5 XS2.2@7.12,71.998 ; C40.2@7.41,63.35 XS2.2@7.41,67.002
ANT_MAIN: C22.1 VDS1.C XS1.1 | length 5.8
  Top Layer w0.199: XS1.1@4.922,36.5 C22.1@8.975,36.5
  Bottom Layer w0.25: XS1.1@4.922,36.5 4.954,36.532 4.954,37.754 VDS1.C@5.303,38.103